# Altium PCB foxbms2-master.PcbDoc (part 10 of 12) (continued)
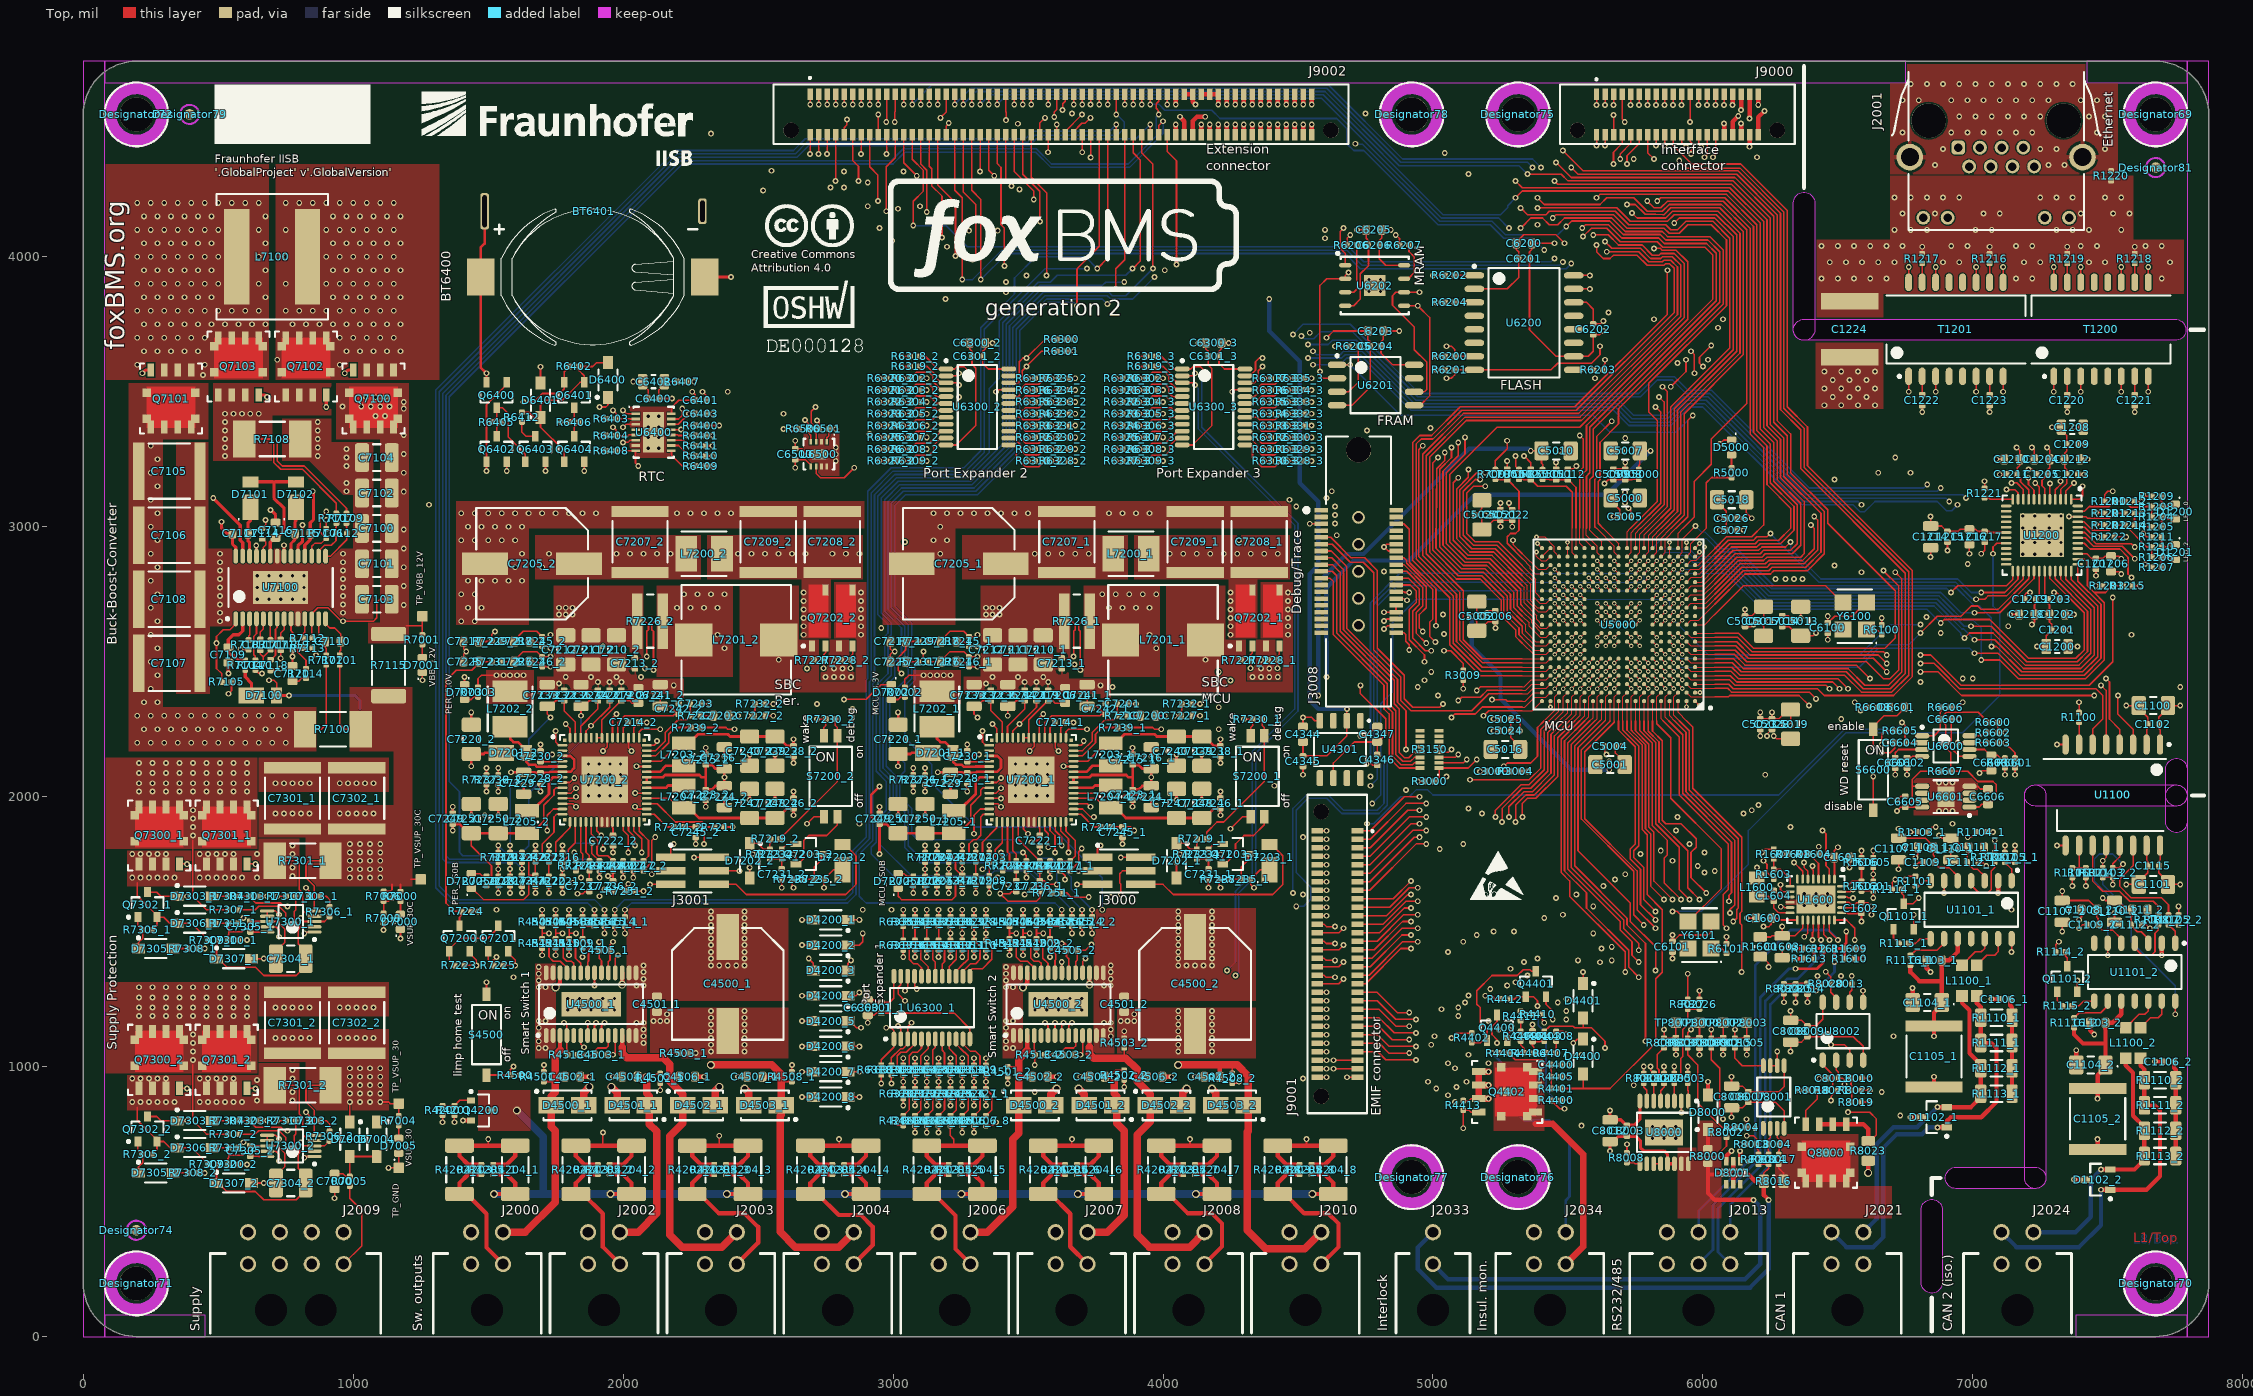
[diagram p0: Top view]
## Nets (pads, with @x,y where several pads share a name; then routed paths per layer and width w, separated by ;. In a path a pad name is that pad's centre, name@x,y a point inside that pad or via, vN(x,y) a via of type N, cw(c..) or ccw(c..) an arc to the next point about the centre after c; other vN are vias at no path point) (continued)
  Top w10: v2(1368.75,1875) C7249_2.2@1368.75,1898.67 1394.59,1898.67 1428.64,1864.62 C7251_2.2@1437.5,1864.62 C7250_2.2@1537.5,1864.62 1576.93,1864.62 1577.03,1864.71 L7205_2.2@1643.75,1864.71
  Top w16: J9002.98@4204.72,4452.76 v1(4204.72,4489.86) ; J9002.100@4236.22,4452.76 v1(4236.22,4489.86) ; J9000.34@6110.24,4452.76 6110.24,4500.61 v1(6131.03,4521.4) ; v1(6141.73,4543.75) J9000.35@6141.73,4602.36
  Int3 (Sig) w6: v1(7393.75,2350) 7550,2350 7606.25,2406.25 v1(7768.75,2406.25)
  Int5 (Pwr) w6: 2906.25,1231.25 v2(2906.25,1275) ; v2(3037.5,1406.25) v2(3081.25,1406.25) v2(3125,1406.25) v2(3168.75,1406.25) v2(3212.5,1406.25) v2(3256.25,1406.25) v2(3300,1406.25) v2(3343.75,1406.25) 3343.75,1231.25
PER_3.3V_LDO: C7232_2.2 C7233_2.2 J9002.94 J9002.96 R7212.2 U7200_2.55 | length 5853.3
  Top w6: R7212.2@1581.25,1792.72 v2(1581.25,1818.75) ; v2(1731.25,2293.75) 1718.75,2306.25 C7233_2.2@1718.75,2334.65 1729.58,2334.65 1749.85,2354.92 C7232_2.2@1781.25,2354.92 1781.25,2318.75 1822.98,2277.02 U7200_2.55@1822.98,2218.52
  Top w16: J9002.94@4141.73,4452.76 v1(4141.73,4489.86) ; J9002.96@4173.23,4452.76 v1(4173.23,4489.86)
  Int4 (Sig) w16: v2(1731.25,2293.75) 1518.75,2293.75 1243.75,2568.75 1243.75,3417.5 2432.5,4606.25 4043.8,4606.25 4092.5,4557.55 4092.5,4526.27 4092.8,4525.97 4092.8,4516.03 4120.08,4488.75 4138.59,4488.75 4139.7,4489.86 v1(4141.73,4489.86) v1(4173.23,4489.86)
  Bottom w6: v2(1581.25,1818.75) 1581.25,2037.5 1650,2106.25 1650,2212.5 v2(1731.25,2293.75)
PER_5.0V: C1110_1.2 C1111_1.2 C1112_1.2 C4505_1.2 C4505_2.2 C7210_2.2 C7211_2.2 C7212_2.2 C7213_2.2 C7215_2.2 C7216_2.2 C7223_2.2 C7224_2.2 C7228_2.2 C7229_2.2 C8006.2 C8007.2 C8008.2 C8009.2 D8000.2 J9000.36 J9000.37 J9002.106 J9002.108 L7202_2.2 R1600.1 R7003.2 R7216.2 R7226_2.2 R8005.2 R8018.2 R8019.1 U1101_1.3 U4500_1.19 U4500_2.19 U7200_2.3 U7200_2.6 U7200_2.35 U7200_2.36 U7200_2.48 U7200_2.56 U8001.5 U8002.8 | length 3108.7
  Top w6: R7003.2@1462.5,2405.22 1462.5,2437.5 1475,2450 v2(1531.25,2450) ; R7216.2@1775,1792.72 v2(1775,1818.75) ; v2(1787.5,2268.75) 1803.3,2252.95 U7200_2.56@1803.3,2218.52 ; U4500_1.19@1945.23,1347.39 1945.23,1388.98 1951.33,1395.08 C4505_1.2@1951.33,1431.25 1951.33,1451.33 v1(1962.5,1462.5) ; U7200_2.48@1960.78,2218.52 1960.78,2292.03 v2(1975,2306.25) ; R7226_2.2@2052.76,2650 2081.25,2650 2093.75,2637.5 2093.75,2618.75 2087.5,2612.5 v2(2087.5,2518.75) ; U4500_2.19@3676.48,1347.39 3676.48,1388.98 3682.58,1395.08 C4505_2.2@3682.58,1431.25 3712.88,1431.25 v1(3734.57,1452.93) ; R8005.2@5893.75,973.97 v2(5893.75,1000) ; v2(6106.25,962.5) C8006.2@6106.25,927.85 6146.51,927.85 6166.78,907.58 C8007.2@6168.75,907.58 6282.58,907.58 6300.89,925.89 U8001.5@6300.89,1003.64 ; R1600.1@6212.5,1407.33 6219.39,1407.33 6243.15,1383.58 6243.15,1369.35 v1(6243.75,1368.75) ; v2(6325,1206.25) C8008.2@6325,1171.6 6365.26,1171.6 6385.53,1151.33 C8009.2@6387.5,1151.33 6420.08,1151.33 6443.75,1175 U8002.8@6443.75,1238.53 ; v2(6356.25,912.5) R8018.2@6388.53,912.5 ; R8019.1@6586.47,868.75 v2(6618.75,868.75) ; v1(6875,1856.25) 6884.65,1846.6 C1110_1.2@6918.75,1846.6 6929.58,1846.6 6963.68,1812.5 C1111_1.2@6983.96,1812.5 6983.96,1789.8 6979.92,1785.76 C1112_1.2@6979.92,1756.25 6979.92,1754.28 7002.95,1731.25 7017.77,1731.25 7043.75,1705.27 U1101_1.3@7043.75,1688.53
  Top w10: v2(1584.1,2090.35) C7229_2.2@1631.25,2090.35 1672.15,2090.35 1673.67,2088.83 C7228_2.2@1693.75,2088.83 1726.33,2088.83 1729.53,2092.03 U7200_2.6@1775.23,2092.03 1804.53,2092.03 1818.75,2106.25 1818.75,2137.5 1805.17,2151.08 U7200_2.3@1775.23,2151.08 ; U7200_2.35@2087.27,2052.66 U7200_2.36@2087.27,2072.34 2147.34,2072.34 2155.32,2080.32 2282.18,2080.32 2290.62,2071.88 2306.25,2071.88 ; 2306.25,2071.88 C7215_2.2@2306.25,2117.42 2328.43,2117.42 2342.46,2103.4 C7216_2.2@2375,2103.4 v2(2375,2071.88) C7224_2.2@2375,2040.35 2342.46,2040.35 2328.43,2026.33 C7223_2.2@2306.25,2026.33 2306.25,2071.88
  Top w16: J9002.106@4330.71,4452.76 v1(4330.71,4489.86) ; J9002.108@4362.2,4452.76 v1(4362.2,4489.86) ; D8000.2@6018.75,895.62 v2(6018.75,943.75) ; J9000.36@6141.73,4452.76 v1(6141.73,4493.75) ; v1(6173.23,4512.5) J9000.37@6173.23,4602.36
  Int1 (Sig) w6: v2(1975,2306.25) 2005.74,2336.99 2019.09,2336.99 2046.83,2364.73 2046.83,2415.32 2040.74,2421.4 2040.74,2471.99 v2(2087.5,2518.75)
  other v2: 1556.25,2450 1581.25,2450 1606.25,2450 1631.25,2450 1762.5,2675 1787.5,2675 1812.5,2675 1762.5,2700 1787.5,2700 1812.5,2700
PER_5.0V_LDO: C7234_2.2 C7235_2.2 J9002.102 J9002.104 R7213.2 U7200_2.54 | length 5617.1
  Top w6: R7213.2@1537.5,1792.72 v2(1537.5,1818.75) ; U7200_2.54@1842.67,2218.52 1842.67,2261.42 1906.25,2325 C7234_2.2@1906.25,2354.92 1874.85,2354.92 1854.58,2334.65 C7235_2.2@1843.75,2334.65 v2(1843.75,2300)
  Top w16: J9002.102@4267.72,4452.76 v1(4267.72,4489.86) ; J9002.104@4299.21,4452.76 v1(4299.21,4489.86)
  Int4 (Sig) w16: v2(1843.75,2300) 1843.75,2639.78 1926.83,2722.86 1926.83,3061.11 1829.32,3158.61 1829.32,3960.57 v1(2325,4456.25)
  Int6 (Sig) w16: v1(2325,4456.25) 2498.04,4629.29 4097.18,4629.29 4195.22,4531.25 4250,4531.25 4267.72,4513.53 v1(4267.72,4489.86) v1(4299.21,4489.86)
  Bottom w6: v2(1537.5,1818.75) 1562.5,1793.75 1625,1793.75 1650,1818.75 1650,2012.5 1843.75,2206.25 v2(1843.75,2300)
PER_5.74V: C4344.2 C4345.2 C7220_2.2 C7221_2.2 D7201_2.1 J9002.110 J9002.112 U4301.2 U7200_2.53 | length 8804.5
  Top w6: U7200_2.53@1862.35,2218.52 1862.35,2243.6 v2(1881.25,2262.5) 1950,2331.25 C7221_2.2@1950,2354.92 ; C4344.2@4518.75,2202.71 C4345.2@4518.75,2151.33 4607.58,2151.33 4681.25,2225 U4301.2@4681.25,2281.3 v1(4681.25,2325)
  Top w10: v2(1437.5,2112.5) C7220_2.2@1437.5,2158.37 1483.37,2158.37 1487.5,2162.5 D7201_2.1@1547.79,2162.5
  Top w16: J9002.110@4393.7,4452.76 v1(4393.7,4489.86) ; J9002.112@4425.2,4452.76 v1(4425.2,4489.86)
  Int3 (Sig) w10: v2(1437.5,2112.5) 1543.75,2218.75 1787.5,2218.75 1831.25,2262.5 v2(1881.25,2262.5)
  Int3 (Sig) w16: v1@4393.73,3843.77 v1@4393.73,4489.84
  Int4 (Sig) w16: v2(1437.5,2112.5) 1218.75,2331.25 1218.75,3425 2425,4631.25 4093.75,4631.25 4193.75,4531.25 4368.7,4531.25 4393.7,4506.25 v1(4393.7,4489.86) v1(4425.2,4489.86)
  Bottom w16: v1(4393.75,3843.75) 4393.75,3725 4506.25,3612.5 4506.25,3162.5 4575,3093.75 4575,2856.25 4543.75,2825 4543.75,2356.25 4575,2325 v1(4681.25,2325)
PER_IO.\RTC_INTA_HV_1: C7225_1.2 Q6401.D R6406.2 R7231_1.2 | length 2771.7
  Top w6: v2(1768.75,3387.5) R6406.2@1801.03,3387.5 1818.75,3405.22 Q6401.D@1818.75,3440.26 ; C7225_1.2@3047.29,2500 R7231_1.2@3094.78,2500 3112.5,2517.72 v1(3112.5,2537.5)
  Int3 (Sig) w6: v2(1768.75,3387.5) 1943.75,3562.5 2590.48,3562.5 2599.81,3571.83 3153.17,3571.83 v1(3243.75,3481.25)
  Int1 (Sig) w6: v1(3112.5,2537.5) 3112.5,3175 3243.75,3306.25 v1(3243.75,3481.25)
PER_IO.\SE_RESET_1: R6302_3.1 R6320_3.2 U6300_3.4 U6500.6 | length 1780
  Top w6: U6500.6@2715.16,3222.69 2715.16,3197.34 2731.25,3181.25 2818.75,3181.25 v1(2856.25,3218.75) ; R6320_3.2@3886.47,3550 v2(3912.5,3550) R6302_3.1@3938.53,3550 3960.36,3571.83 4009.04,3571.83 4021.83,3559.04 4021.83,3538.56 4052.66,3507.73 U6300_3.4@4071.36,3507.73
  Int3 (Sig) w6: v1(2856.25,3218.75) 2868.75,3206.25 3831.25,3206.25 3868.75,3243.75 3868.75,3506.25 v2(3912.5,3550)
  Bottom w6: v2(3912.5,3550) v2@3913.76,3550
PER_IO.\WW_ENABLE_1: J9002.68 R6600.1 R6602.2 | length 5037.3
  Top w6: v1(3731.99,4368.01) 3731.99,4426.81 3732.28,4427.1 J9002.68@3732.28,4452.76 ; R6600.1@7092.72,2275 7092.72,2252.33 R6602.2@7092.72,2237.5 v2(7118.75,2237.5)
  Int4 (Sig) w6: v1(3731.99,4368.01) 3743.75,4356.25 4927.67,4356.25 5425.76,3858.16 5425.76,3580.49 5669.51,3336.74 5669.51,3224.24 5730.49,3163.26 5999.24,3163.26 6106.25,3056.25 6106.25,2432.78 6145.28,2393.75 6444.13,2393.75 6550.38,2287.5 6618.75,2287.5 6650,2318.75 7037.5,2318.75 v2(7118.75,2237.5)
PER_IO.\WW_RESETIN_1: C6604.2 C7236_1.2 J9002.80 R6605.1 R7240_1.1 R7248_1.1 U6600.2 | length 7924.4
  Top w6: R7240_1.1@3581.25,1761.47 3560.64,1740.86 3558.58,1740.86 R7248_1.1@3543.75,1726.03 C7236_1.2@3543.75,1688.83 3559.95,1688.83 3573.78,1675 v2(3606.25,1675) ; J9002.80@3921.26,4452.76 3921.26,4384.99 3962.5,4343.75 v1(3962.5,3956.25) ; v1(6737.5,2275) 6748.97,2263.53 R6605.1@6748.97,2243.75 6748.97,2218.57 6751.33,2216.2 C6604.2@6751.33,2200 6781.53,2200 6781.83,2200.3 U6600.2@6812.4,2200.3
  Int3 (Sig) w6: v2(3606.25,1675) 3618.75,1662.5 3637.88,1662.5 3675.38,1700 4462.5,1700 4543.75,1781.25 4543.75,1868.75 4575,1900 v1(4756.25,1900)
  Bottom w6: v2(3606.25,1675) 3606.25,1737.5 3587.5,1756.25 3099.31,1756.25 3043.75,1811.81 3043.75,1943.75 3000,1987.5 3000,2068.75 2962.5,2106.25 2962.5,2400 3006.25,2443.75 3006.25,2500 3031.25,2525 3031.25,2625 2968.75,2687.5 2968.75,3100 3025,3156.25 3293.75,3156.25 3431.25,3293.75 3431.25,3743.75 3556.25,3868.75 3800,3868.75 3812.5,3856.25 3862.5,3856.25 v1(3962.5,3956.25) ; v1(4756.25,1900) 4781.25,1900 4881.25,2000 4912.5,2000 4937.5,2025 4981.25,2025 5000,2006.25 6281.25,2006.25 6525,2250 6712.5,2250 v1(6737.5,2275)
PER_IO.PE_IO3.IO0_1_1: R6303_3.1 R6321_3.2 U6300_3.5 U6500.3 | length 2037.6
  Top w6: v1(2712.5,3443.75) 2696.92,3428.17 2696.92,3384.71 2708.21,3373.43 2708.21,3351.94 2715.16,3344.99 U6500.3@2715.16,3314.81 ; R6321_3.2@3886.47,3506.25 v2(3912.5,3506.25) R6303_3.1@3938.53,3506.25 3960.36,3528.08 4009.04,3528.08 4021.83,3515.29 4021.83,3496.92 4036.61,3482.14 U6300_3.5@4071.36,3482.14
  Int3 (Sig) w6: v1(2712.5,3443.75) 2768.75,3443.75 2818.75,3393.75 2818.75,3225 2850,3193.75 3837.5,3193.75 3881.25,3237.5 3881.25,3475 v2(3912.5,3506.25)
PER_IO.PE_IO3.IO0_2_1: R6304_3.1 R6322_3.2 U6300_3.6 | length 205.4
  Top w6: R6322_3.2@3886.47,3462.5 v2(3912.5,3462.5) R6304_3.1@3938.53,3462.5 3960.36,3484.33 4009.04,3484.33 4036.82,3456.55 U6300_3.6@4071.36,3456.55
PER_IO.PE_IO3.IO0_3_1: R6305_3.1 R6323_3.2 U6300_3.7 | length 197.9
  Top w6: R6323_3.2@3886.47,3418.75 v2(3912.5,3418.75) R6305_3.1@3938.53,3418.75 3960.36,3440.58 4030.18,3440.58 4039.8,3430.95 U6300_3.7@4071.36,3430.95
PER_IO.PE_IO3.IO0_4_1: R6306_3.1 R6324_3.2 U6300_3.8 | length 197.5
  Top w6: R6324_3.2@3886.47,3375 v2(3912.5,3375) R6306_3.1@3938.53,3375 3960.36,3396.83 4020.44,3396.83 4028.97,3405.36 U6300_3.8@4071.36,3405.36
PER_IO.PE_IO3.IO0_5_1: R6307_3.1 R6325_3.2 U6300_3.9 | length 205
  Top w6: R6325_3.2@3886.47,3331.25 v2(3912.5,3331.25) R6307_3.1@3938.53,3331.25 3960.36,3353.08 4008.94,3353.08 4035.64,3379.77 U6300_3.9@4071.36,3379.77
PER_IO.PE_IO3.IO0_6_1: R6308_3.1 R6326_3.2 U6300_3.10 | length 213.2
  Top w6: R6326_3.2@3886.47,3287.5 v2(3912.5,3287.5) R6308_3.1@3938.53,3287.5 3960.36,3309.33 4008.94,3309.33 4021.83,3322.21 4021.83,3323.35 4052.66,3354.18 U6300_3.10@4071.36,3354.18
PER_IO.PE_IO3.IO0_7_1: R6309_3.1 R6327_3.2 U6300_3.11 | length 231.3
  Top w6: R6327_3.2@3886.47,3243.75 v2(3912.5,3243.75) R6309_3.1@3938.53,3243.75 3960.36,3265.58 4008.94,3265.58 4025,3281.63 4025,3300.94 4052.66,3328.59 U6300_3.11@4071.36,3328.59
PER_IO.PE_IO3.IO1_0_1: J9000.24 R6310_3.1 R6328_3.2 U6300_3.13 | length 2856.3
  Top w6: U6300_3.13@4303.64,3303 4322.34,3303 4331.43,3293.91 4331.43,3256.45 4365.96,3221.92 4414.64,3221.92 R6310_3.1@4436.47,3243.75 v2(4461.98,3243.75) R6328_3.2@4487.5,3243.75 ; v1(5881.25,3518.75) 5937.5,3575 v1(5937.5,3618.75) ; J9000.24@5952.76,4452.76 5952.76,4427.1 5962.5,4417.36 5962.5,4400.38 5956.25,4394.13 v1(5956.25,4381.25)
  Int3 (Sig) w6: v2(4461.98,3243.75) 4486.98,3218.75 4556.25,3218.75 4581.25,3243.75 4581.25,3268.75 4750,3437.5 5756.25,3437.5 5775,3418.75 5843.75,3418.75 5881.25,3456.25 v1(5881.25,3518.75) ; v1(5937.5,3618.75) 5918.75,3637.5 5918.75,3687.5 5956.25,3725 v1(5956.25,4381.25)
PER_IO.PE_IO3.IO1_1_1: J9000.25 R6311_3.1 R6329_3.2 U6300_3.14 | length 3030.1
  Top w6: U6300_3.14@4303.64,3328.59 4322.34,3328.59 4350,3300.94 4350,3281.63 4365.96,3265.67 4414.64,3265.67 R6311_3.1@4436.47,3287.5 v2(4462.5,3287.5) R6329_3.2@4488.53,3287.5 ; v1(5984.25,4562.5) J9000.25@5984.25,4602.36
  Int3 (Sig) w6: v2(4462.5,3287.5) 4484.42,3265.58 4550,3265.58 4550.1,3265.67 4559.04,3265.67 4743.37,3450 5743.75,3450 5837.5,3543.75 5981.25,3543.75 6043.75,3606.25 6043.75,3625 6006.25,3662.5 6006.25,4306.59 6062.5,4362.84 6062.5,4400 5984.25,4478.25 v1(5984.25,4562.5)
PER_IO.PE_IO3.IO1_2_1: J9000.26 R6312_3.1 R6330_3.2 U6300_3.15 | length 2744.9
  Top w6: U6300_3.15@4303.64,3354.18 4322.34,3354.18 4353.17,3323.35 4353.17,3322.21 4365.96,3309.42 4414.64,3309.42 R6312_3.1@4436.47,3331.25 v2(4462.5,3331.25) R6330_3.2@4488.53,3331.25 ; v1(5956.25,3650) 5968.75,3637.5 v1(5968.75,3568.75) ; J9000.26@5984.25,4452.76 5984.25,4417.38 5994.09,4407.53 v1(5994.09,4406.25)
  Int3 (Sig) w6: v2(4462.5,3331.25) 4484.42,3309.33 4556.25,3309.33 4556.35,3309.42 4584.42,3309.42 4737.5,3462.5 5737.5,3462.5 5831.25,3556.25 5956.25,3556.25 v1(5968.75,3568.75) ; v1(5956.25,3650) 5956.25,3706.25 5968.75,3718.75 5968.75,4362.46 5994.09,4387.81 v1(5994.09,4406.25)
PER_IO.PE_IO3.IO1_3_1: J9000.27 R6313_3.1 R6331_3.2 U6300_3.16 | length 2936.2
  Top w6: U6300_3.16@4303.64,3379.77 4338.98,3379.77 4365.58,3353.17 4414.64,3353.17 R6313_3.1@4436.47,3375 v2(4462.5,3375) R6331_3.2@4488.53,3375 ; v1(6000,3593.75) 5987.5,3606.25 5987.5,3627.79 v1(6031.25,3671.54) ; v1(6015.75,4562.5) J9000.27@6015.75,4602.36
  Int3 (Sig) w6: v2(4462.5,3375) 4484.42,3353.08 4556.25,3353.08 4556.35,3353.17 4559.04,3353.17 4680.87,3475 5731.25,3475 5825,3568.75 5937.5,3568.75 5962.5,3593.75 v1(6000,3593.75) ; v1(6015.75,4562.5) 6015.75,4465.5 6075,4406.25 6075,4356.25 6018.75,4300 6018.75,3718.75 6031.25,3706.25 v1(6031.25,3671.54)
PER_IO.PE_IO3.IO1_4_1: J9000.28 R6314_3.1 R6332_3.2 U6300_3.17 | length 2658.2
  Top w6: U6300_3.17@4303.64,3405.36 4349.15,3405.36 4357.59,3396.92 4414.64,3396.92 R6314_3.1@4436.47,3418.75 v2(4462.5,3418.75) R6332_3.2@4488.53,3418.75 ; v1(6005.91,4368.75) 6005.91,4369.69 6015.92,4379.7 6015.92,4421.54 6015.75,4421.71 J9000.28@6015.75,4452.76
  Int3 (Sig) w6: v2(4462.5,3418.75) 4484.33,3396.92 4578.17,3396.92 4668.75,3487.5 5725,3487.5 5818.75,3581.25 5931.25,3581.25 5981.25,3631.25 5981.25,4344.09 v1(6005.91,4368.75)
PER_IO.PE_IO3.IO1_5_1: J9000.29 R6315_3.1 R6333_3.2 U6300_3.18 | length 2857.3
  Top w6: U6300_3.18@4303.64,3430.95 4355.95,3430.95 4365.67,3440.67 4414.64,3440.67 R6315_3.1@4436.47,3462.5 v2(4462.5,3462.5) R6333_3.2@4488.53,3462.5 ; v1(6047.24,4562.5) J9000.29@6047.24,4602.36
  Int3 (Sig) w6: v2(4462.5,3462.5) 4497.41,3462.5 4519.33,3440.58 4603.08,3440.58 4662.5,3500 5718.75,3500 5825,3606.25 v1(5906.25,3606.25) ; v1(6047.24,4562.5) 6047.24,4452.76 6087.5,4412.5 6087.5,4352.51 6031.25,4296.26 6031.25,3762.5 v1(6056.25,3737.5)
  Int1 (Sig) w6: v1(5906.25,3606.25) 5906.25,3637.5 6006.25,3737.5 v1(6056.25,3737.5)
PER_IO.PE_IO3.IO1_6_1: J9000.30 R6316_3.1 R6334_3.2 U6300_3.19 | length 2692.9
  Top w6: U6300_3.19@4303.64,3456.55 4337.8,3456.55 4365.58,3484.33 4414.54,3484.33 R6316_3.1@4436.47,3506.25 v1(4462.5,3506.25) R6334_3.2@4488.53,3506.25 ; v1(6037.4,4368.75) 6037.4,4370.03 6047.24,4379.88 J9000.30@6047.24,4452.76
  Int3 (Sig) w6: v1(4462.5,3506.25) 4484.33,3484.42 4628.17,3484.42 4656.25,3512.5 5562.5,3512.5 v1(5600,3550) ; v1(6018.75,3618.75) 5993.75,3643.75 5993.75,4325.1 v1(6037.4,4368.75)
  Int1 (Sig) w6: v1(5600,3550) 5631.25,3581.25 5941.63,3581.25 5979.13,3618.75 v1(6018.75,3618.75)
PER_IO.PE_IO3.IO1_7_1: J9000.31 R6317_3.1 R6335_3.2 U6300_3.20 | length 2836.1
  Top w6: U6300_3.20@4303.84,3482.33 U6300_3.20@4303.64,3482.14 4338.39,3482.14 4350,3493.75 4350,3512.12 4365.96,3528.08 4414.54,3528.08 R6317_3.1@4436.47,3550 v2(4462.5,3550) R6335_3.2@4488.53,3550 ; v1(6078.74,4562.5) J9000.31@6078.74,4602.36
  Int3 (Sig) w6: v2(4462.5,3550) 4487.5,3525 4538.83,3525 cw(c4550,3506.25) 4561.17,3525 5506.25,3525 5750,3768.75 v1(5818.75,3768.75) ; v1(6075,3768.75) 6043.75,3800 6043.75,4290.01 6100,4346.26 6100,4425 6110.24,4435.24 6110.24,4514.76 6078.74,4546.26 v1(6078.74,4562.5)
  Int1 (Sig) w6: v1(5818.75,3768.75) v1(6075,3768.75)
RS485.A_1: J2013.2 R1611.1 R1612.2 R1613.2 U1600.22 | length 1894.7
  Top w6: U1600.22@6487.65,1542.96 6532.04,1542.96 6562.5,1512.5 v2(6562.5,1468.75)
  Top w10: v1(6343.75,1362.5) 6423.28,1362.5 6448.28,1387.5 6448.28,1419.92 6451.03,1422.67 R1611.1@6451.03,1437.5 R1612.2@6411.47,1437.5 R1613.2@6411.47,1400
  Int3 (Sig) w10: v1(6343.75,1362.5) 6400,1418.75 6512.5,1418.75 v2(6562.5,1468.75)
  Bottom w10: J2013.2@5984.25,268.43 6037.5,321.67 6037.5,487.5 6212.5,662.5 6212.5,1256.25 6318.75,1362.5 v1(6343.75,1362.5)
RS485.B_1: J2013.5 U1600.21 | length 1540.4
  Top w6: U1600.21@6467.96,1542.96 6467.96,1500.79 v2(6500,1468.75)
  Bottom w10: J2013.5@5984.25,386.42 5984.25,465.5 6193.75,675 6193.75,1375 6325,1506.25 6464.95,1506.25 6500,1471.2 v2(6500,1468.75)
RS485.Y_1: J2013.1 U1600.19 | length 1477
  Top w6: U1600.19@6428.59,1542.96 6428.59,1477.66 v2(6437.5,1468.75)
  Bottom w10: J2013.1@6101.73,268.43 6056.25,313.91 6056.25,475 6231.25,650 6231.25,1243.75 6312.5,1325 6350,1325 6437.5,1412.5 v2(6437.5,1468.75)
RS485.Z_1: J2013.4 R1609.1 R1610.1 R1611.2 U1600.17 | length 1653.4
  Top w6: v2(6375.44,1481.25) 6389.22,1495.03 U1600.17@6389.22,1542.96
  Top w10: v1(6487.65,1387.5) 6487.65,1421.49 6486.47,1422.67 R1611.2@6486.47,1437.5 R1609.1@6526.03,1437.5 ; R1610.1@6526.03,1400 R1609.1@6526.03,1437.5 ; v2(6531.25,1500) 6531.25,1457.54 6526.03,1452.33 R1609.1@6526.03,1437.5
  Int3 (Sig) w10: v2(6375.44,1481.25) 6394.19,1500 v2(6531.25,1500)
  Bottom w10: J2013.4@6101.73,386.42 6101.73,489.23 6250,637.5 6250,1230.76 6324.32,1305.08 6442.58,1305.08 6487.65,1350.15 v1(6487.65,1387.5)
SBC_MCU_OTP.DBG_1: D7203_1.2 J3000.6 | length 730.6
  Top w6: J3000.6@3917.62,1675 4000,1675 4037.5,1637.5 4406.25,1637.5 4443.75,1675 4443.75,1781.4 4402.61,1822.54 D7203_1.2@4393.75,1822.54
SBC_MCU_OTP.DBGHV_1: D7203_1.1 J3000.4 R7235_1.1 U7200_1.8 | length 1843.8
  Top w6: U7200_1.8@3356.48,2052.66 3383.91,2052.66 v2(3400,2068.75) ; v1(3843.75,1637.5) 3843.75,1676.48 3839.99,1680.24 3839.99,1714.99 3850,1725 J3000.4@3917.62,1725 ; v2(4337.5,1662.5) 4325,1675 R7235_1.1@4325,1693.75 4360.22,1728.97 4360.22,1729.04 D7203_1.1@4393.75,1729.04
  Int3 (Sig) w6: v1(3487.5,1637.5) 3500,1625 3525,1625 3537.5,1637.5 3662.5,1637.5 3675,1650 3831.25,1650 v1(3843.75,1637.5) 3993.97,1637.5 ; 3993.75,1637.72 3993.97,1637.5 ; v2(4337.5,1662.5) 4312.5,1637.5 3993.97,1637.5
  Int1 (Sig) w6: v2(3400,2068.75) 3362.5,2031.25 3362.5,1894.13 3309.04,1840.67 3296.92,1840.67 3281.25,1825 3281.25,1743.75 3359.42,1665.58 3403.17,1665.58 3431.25,1637.5 v1(3487.5,1637.5)
SBC_MCU_OTP.SCL_1: J3000.5 R7237_1.1 U7200_1.10 | length 1168.3
  Top w6: v2(3075,2018.75) R7237_1.1@3075,2044.78 ; U7200_1.10@3356.48,2013.29 3382.04,2013.29 v2(3400,2031.25) ; v2(3681.25,1675) J3000.5@3757.38,1675
  Int3 (Sig) w6: v2(3075,2018.75) 3106.25,2050 3175,2050 3193.75,2068.75 3287.5,2068.75 3325,2031.25 v2(3400,2031.25) ; v1(3425,1675) 3506.25,1675 3518.75,1687.5 3559.51,1687.5 3597.01,1650 3656.25,1650 v2(3681.25,1675)
  Int1 (Sig) w6: v2(3400,2031.25) 3425,2006.25 v1(3425,1675)
SBC_MCU_OTP.SDA_1: J3000.3 R7236_1.1 U7200_1.11 | length 1086.1
  Top w6: v2(3118.75,2018.75) R7236_1.1@3118.75,2044.78 ; U7200_1.11@3356.48,1993.6 3378.69,1993.6 3378.83,1993.75 v2(3400,1993.75) ; v2(3687.1,1725) J3000.3@3757.38,1725
  Int3 (Sig) w6: v2(3118.75,2018.75) 3143.75,1993.75 3318.75,1993.75 3325,2000 3357.26,2000 3363.51,1993.75 v2(3400,1993.75) ; v1(3331.25,1731.25) 3431.25,1731.25 3437.5,1725 v2(3687.1,1725)
  Int1 (Sig) w6: v1(3331.25,1731.25) 3331.25,1825 3375,1868.75 3375,1968.75 v2(3400,1993.75)
SBC_PER_OTP.DBG_1: D7203_2.2 J3001.6 | length 730.6
  Top w6: J3001.6@2336.37,1675 2418.75,1675 2456.25,1637.5 2825,1637.5 2862.5,1675 2862.5,1781.4 2821.36,1822.54 D7203_2.2@2812.5,1822.54
SBC_PER_OTP.DBGHV_1: D7203_2.1 J3001.4 R7235_2.1 U7200_2.8 | length 1689.3
  Top w6: U7200_2.8@1775.23,2052.66 1802.66,2052.66 v2(1818.75,2068.75) ; J3001.4@2336.37,1725 v2(2431.25,1725) ; v2(2743.75,1662.5) R7235_2.1@2743.75,1693.75 2778.97,1728.97 2778.97,1729.04 D7203_2.1@2812.5,1729.04
  Int3 (Sig) w6: v1(1912.5,1631.25) 1925,1618.75 2093.75,1618.75 2112.5,1637.5 2430.74,1637.5 ; v2(2431.25,1725) 2431.25,1638.01 2430.74,1637.5 ; v2(2743.75,1662.5) 2743.75,1643.75 2737.5,1637.5 2430.74,1637.5
  Int1 (Sig) w6: v2(1818.75,2068.75) 1850,2037.5 1850,1831.25 1868.75,1812.5 1868.75,1675 v1(1912.5,1631.25)
SBC_PER_OTP.SCL_1: J3001.5 R7237_2.1 U7200_2.10 | length 1229.1
  Top w6: v2(1493.75,2018.75) R7237_2.1@1493.75,2044.78 ; U7200_2.10@1775.23,2013.29 1807.04,2013.29 v2(1825,2031.25) ; v2(2100,1675) J3001.5@2176.13,1675
  Int3 (Sig) w6: v2(1493.75,2018.75) 1525,2050 1593.75,2050 1612.5,2068.75 1706.25,2068.75 1743.75,2031.25 v2(1825,2031.25) ; v1(1812.5,1681.25) 1831.63,1681.25 1844.13,1668.75 1912.12,1668.75 1924.62,1681.25 1975,1681.25 2006.25,1650 2031.25,1650 2056.25,1675 v2(2100,1675)
  Int1 (Sig) w6: v1(1812.5,1681.25) 1796.88,1696.87 1796.88,1827.74 1781.25,1843.37 1781.25,1987.5 v2(1825,2031.25)
SBC_PER_OTP.SDA_1: J3001.3 R7236_2.1 U7200_2.11 | length 1092.6
  Top w6: v2(1537.5,2018.75) R7236_2.1@1537.5,2044.78 ; U7200_2.11@1775.23,1993.6 1818.6,1993.6 v2(1825,2000) ; v2(2106.25,1712.5) 2106.25,1714.24 2117.01,1725 J3001.3@2176.13,1725
  Int3 (Sig) w6: v2(1537.5,2018.75) 1562.5,1993.75 1737.5,1993.75 1743.75,2000 v2(1825,2000) ; v1(1843.75,1700) 1900,1756.25 2062.5,1756.25 v2(2106.25,1712.5)
  Int1 (Sig) w6: v2(1825,2000) 1793.75,1968.75 1793.75,1862.5 1843.75,1812.5 v1(1843.75,1700)
SEL_3: R1102.1 R1106.2 U1100.10 | length 132.8
  Top w6: R1106.2@7368.75,1736.47 7393.75,1736.47 ; U1100.10@7393.75,1819.24 7393.75,1736.47 ; R1102.1@7418.75,1736.47 7403.92,1736.47 7393.75,1736.47
SHIELD: C1224.2 R1216.1 R1217.1 R1218.1 R1219.1 R1220.1 | length 104.1
  Top w6: R1217.1@6812.5,4011.47 v2(6812.5,4037.5) ; R1216.1@7062.5,4011.47 v2(7062.5,4037.5) ; R1219.1@7350,4011.47 v2(7350,4037.5) ; R1218.1@7600,4011.47 v2(7600,4037.5)
  other v1: 6440,3920 6500,3920 6560,3920 6620,3920 6680,3920 7160,3920 7220,3920 7700,3920 6470,3980 6530,3980 6590,3980 6650,3980 6710,3980 6890,3980 6950,3980 7190,3980 7250,3980 7430,3980 7490,3980 7730,3980 6440,4040 6500,4040 6560,4040 6620,4040 6680,4040 6740,4040 6920,4040 6980,4040 7160,4040 7220,4040 7400,4040 7460,4040 7640,4040 7700,4040 6710,4100 6770,4100 6830,4100 7010,4100 7070,4100 7310,4100 7370,4100 7430,4100 7550,4100 6740,4160 6860,4160 7040,4160 7100,4160 7400,4160 7520,4160 7580,4160 6710,4220 6770,4220 6830,4220 6890,4220 6950,4220 7250,4220 7310,4220 7370,4220 7490,4220 7550,4220
SMSW_OUT1.1_1: C4502_1.2 D4500_1.1 J2000.3 R4501_1.2 U4500_1.3 | length 953.8
  Top w6: R4501_1.2@1706.25,944.78 1747.87,944.78 1748.13,945.04
  Top w16: 1748.13,962.5 C4502_1.2@1783.96,962.5 ; U4500_1.3@1766.09,1115.11 1766.09,1060.5 1766.42,1060.17
  Top w28: J2000.3@1555.08,386.42 1636.42,386.42 1748.13,498.13 1748.13,762.5 1733.71,776.92 D4500_1.1@1733.71,856.25 1733.71,890.76 1748.13,905.18 1748.13,945.04 1748.13,962.5 1748.13,1041.88 1766.42,1060.17
SMSW_OUT1.2_1: C4504_1.2 D4501_1.1 J2002.3 R4502_1.2 U4500_1.26 | length 1419.2
  Top w6: v5(2087.5,962.5) 2111.21,962.5 2122.67,973.97 R4502_1.2@2137.5,973.97
  Top w16: v5(1750,1293.75) 1766.09,1309.84 U4500_1.26@1766.09,1347.39 ; C4504_1.2@2053.54,962.5 v5(2087.5,962.5)
  Top w28: J2002.3@1988.15,386.42 2055.17,386.42 2125,456.25 2125,759.75 2097.54,787.21 D4501_1.1@2097.54,856.25 2097.54,890.76 2087.5,900.8 v5(2087.5,962.5)
  Int3 (Sig) w28: v5@1748.42,1292.17 v5(1750,1293.75)
  Int1 (Sig) w28: v5@1748.42,1292.17 1748.42,1113.35 1862.52,999.25 2050.75,999.25 v5(2087.5,962.5)
SMSW_OUT1.3_1: C4506_1.2 D4502_1.1 J2003.3 R4503_1.2 U4500_1.12 | length 1322.3
  Top w6: 2148.7,1032.55 2166.15,1050 R4503_1.2@2207.28,1050
  Top w16: 1996.41,1072.34 U4500_1.12@1996.41,1115.11 ; 2173.13,962.5 C4506_1.2@2208.96,962.5
  Top w28: 1996.41,1072.34 1996.41,1048.95 2012.81,1032.55 2148.7,1032.55 2173.13,1008.12 2173.13,962.5 2173.13,945.62 2221.21,897.54 D4502_1.1@2221.21,856.25 2221.21,789.96 2173.13,741.88 2173.13,376.87 2218.75,331.25 2366.05,331.25 J2003.3@2421.22,386.42
SMSW_OUT1.4_1: C4507_1.2 D4503_1.1 J2004.3 R4508_1.2 U4500_1.17 | length 1900.9
  Top w6: 2585.04,944.06 2585.76,944.78 R4508_1.2@2625,944.78
  Top w16: v5(1996.41,1303.59) U4500_1.17@1996.41,1347.39 ; C4507_1.2@2516.04,962.5 2576.33,962.5 2585.04,971.21
  Top w28: v5(2325,1006.25) 2550,1006.25 2585.04,971.21 2585.04,944.06 D4503_1.1@2585.04,856.25 2585.04,821.74 2581.25,817.95 2581.25,387.5 2637.5,331.25 2799.12,331.25 J2004.3@2854.29,386.42
  Int1 (Sig) w28: v5(1996.41,1303.59) 1996.41,1297.34 2012.5,1281.25 2012.5,1093.75 2100,1006.25 v5(2325,1006.25)
SMSW_OUT2.1_1: C4502_2.2 D4500_2.1 J2006.3 R4501_2.2 U4500_2.3 | length 942.9
  Top w6: R4501_2.2@3425,998.97 3464.09,998.97 3464.96,998.1
  Top w16: 3464.96,963.94 3466.4,962.5 C4502_2.2@3515.21,962.5 ; 3497.34,1060.5 U4500_2.3@3497.34,1115.11
  Top w28: J2006.3@3287.36,386.42 3348.92,386.42 3443.75,481.25 3443.75,731.25 3464.96,752.46 D4500_2.1@3464.96,856.25 3464.96,963.94 3464.96,998.1 3464.96,1028.12 3497.34,1060.5
SMSW_OUT2.2_1: C4504_2.2 D4501_2.1 J2007.3 R4502_2.2 U4500_2.26 | length 1425.5
  Top w6: v5(3818.75,962.5) 3818.75,981.25 3823.97,986.47 R4502_2.2@3856.25,986.47
  Top w16: v5(3481.25,1293.75) 3497.34,1309.84 U4500_2.26@3497.34,1347.39 ; C4504_2.2@3784.79,962.5 v5(3818.75,962.5)
  Top w28: J2007.3@3720.43,386.42 3792.67,386.42 3856.25,450 3856.25,762.5 3828.79,789.96 D4501_2.1@3828.79,856.25 3828.79,890.76 3818.75,900.8 v5(3818.75,962.5)
  Int1 (Sig) w28: v5(3481.25,1293.75) 3481.25,1204.13 3479.67,1202.55 3479.67,1113.35 3593.77,999.25 3782,999.25 v5(3818.75,962.5)
SMSW_OUT2.3_1: C4506_2.2 D4502_2.1 J2008.3 R4503_2.2 U4500_2.12 | length 1288.5
  Top w6: R4503_2.2@3856.25,1069.78 3856.25,1037.5 3862.5,1031.25
  Top w16: 3727.66,1072.34 U4500_2.12@3727.66,1115.11 ; 3904.38,962.5 C4506_2.2@3940.21,962.5
  Top w28: 3727.66,1072.34 3727.66,1047.65 3744.06,1031.25 3862.5,1031.25 3904.38,989.37 3904.38,962.5 3904.38,945.62 3952.46,897.54 D4502_2.1@3952.46,856.25 3952.46,796.21 3904.38,748.13 3904.38,376.87 3950,331.25 4098.34,331.25 J2008.3@4153.5,386.42